# Altium PCB PCB_TX_N.PcbDoc
Units mm, origin at the board's own origin, x right, y up, seen from the top; angles counter-clockwise.
Board outline 67.44 x 57.4 mm, 2 copper layers (Top Layer, Bottom Layer); 43 components, 38 nets, 189 pads, 31 vias.
Unrouted connection lines stored in the file: 2.
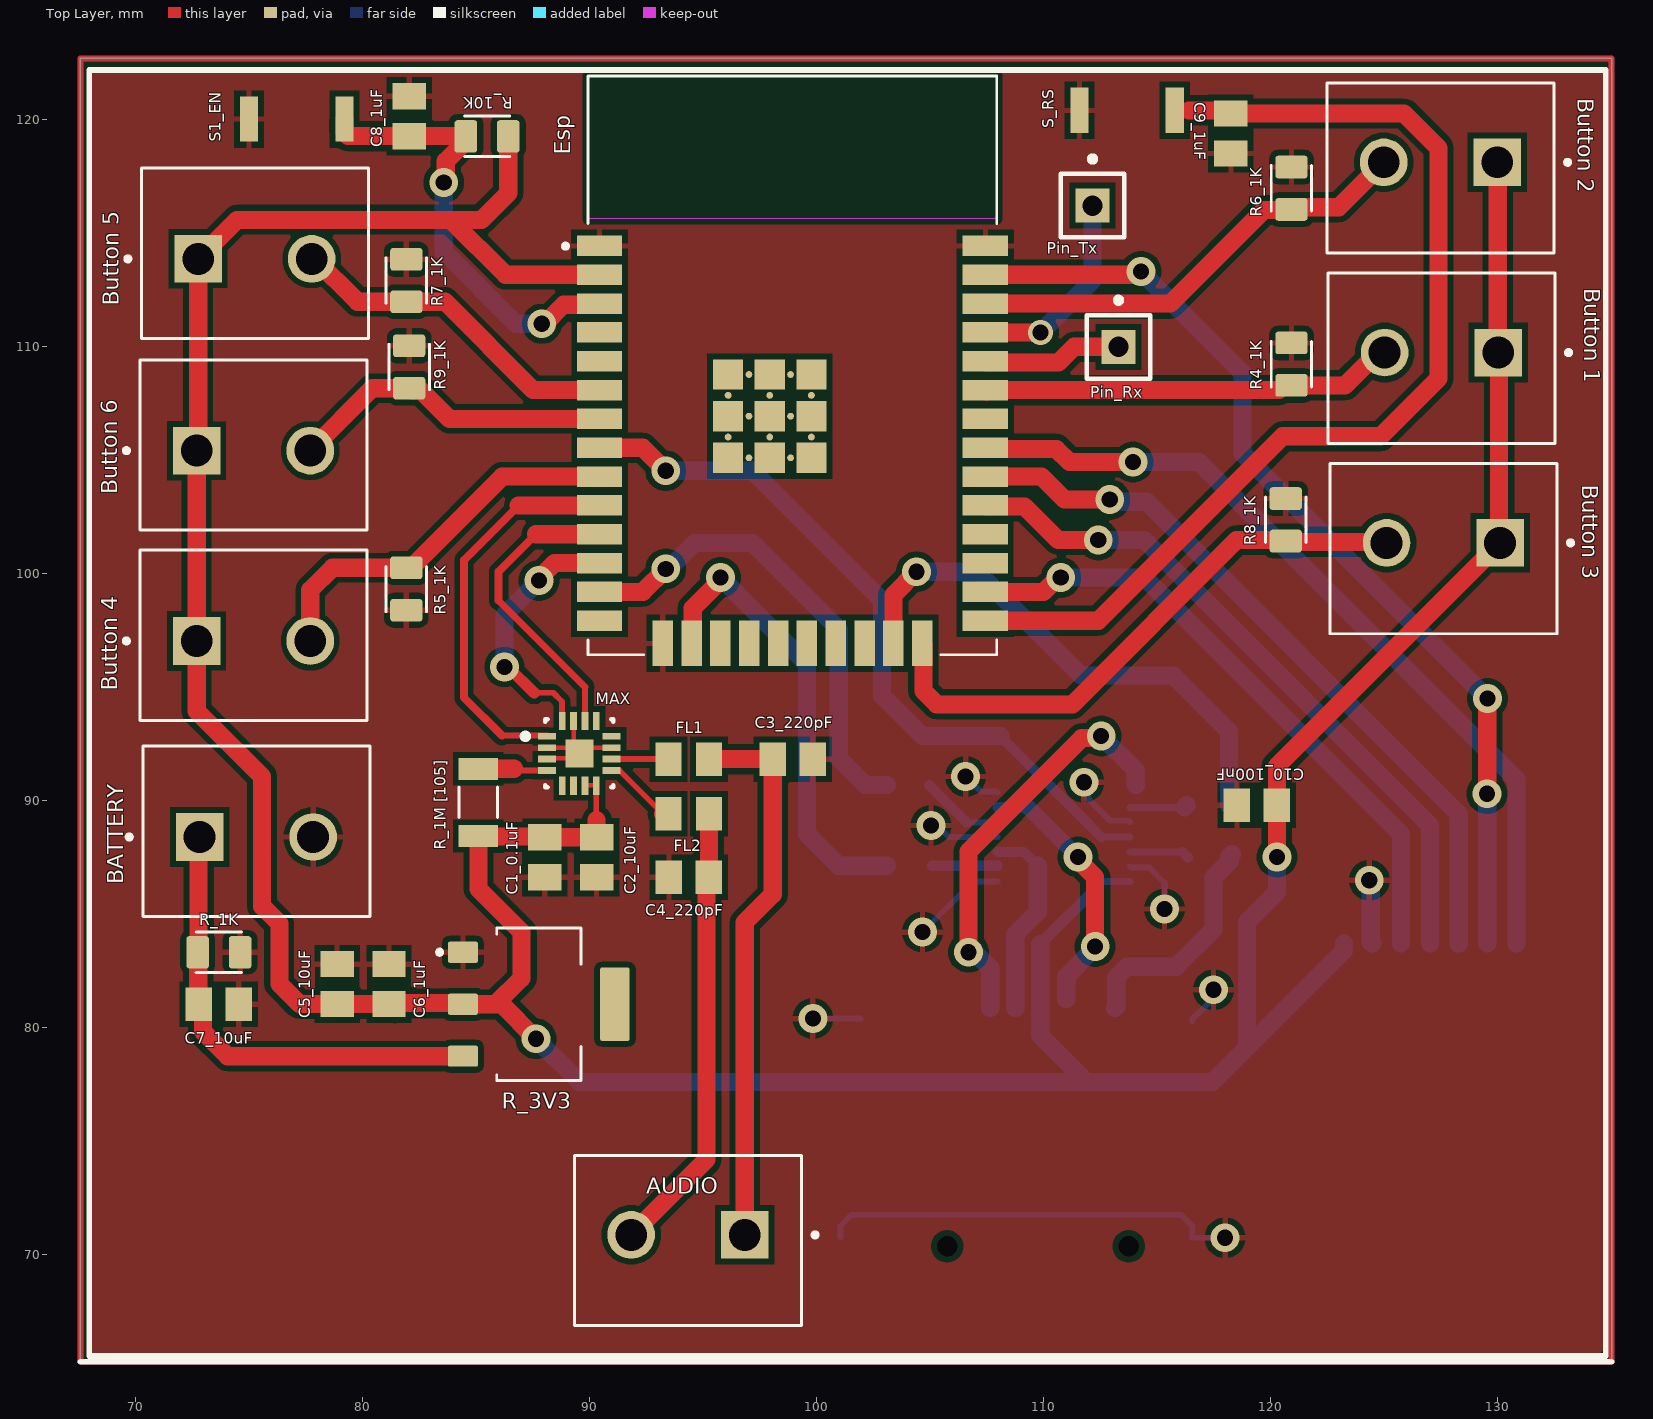
[diagram p0: Top Layer view]
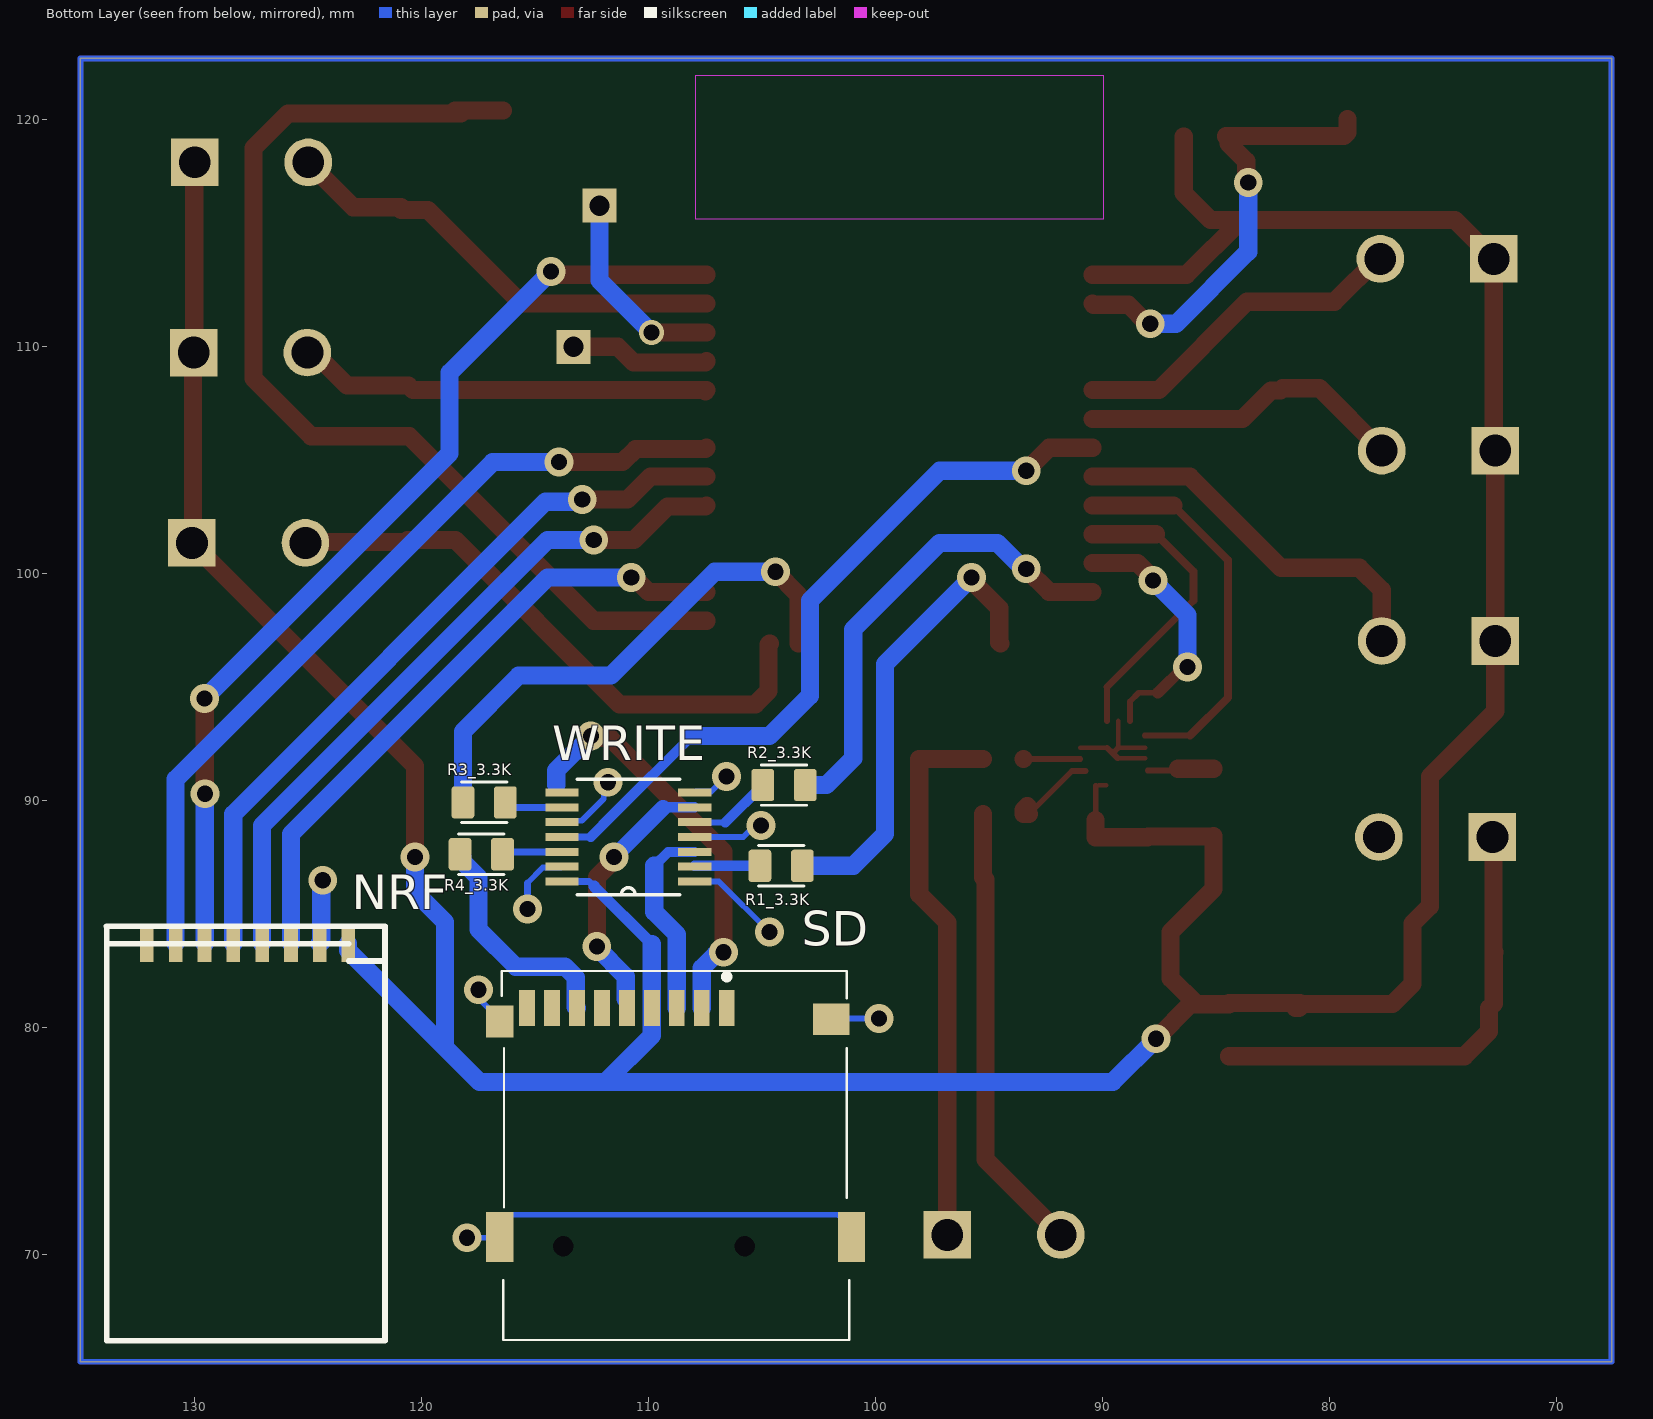
[diagram p1: Bottom Layer view, seen from below]

## Layer stack, top to bottom
Top Solder: solder mask 0.0102, Solder Resist, Dk 3.5
Top Layer: signal copper 0.0356
Dielectric 1: dielectric 0.32, FR-4, Dk 4.8
Bottom Layer: signal copper 0.0356
Bottom Solder: solder mask 0.0102, Solder Resist, Dk 3.5

## Board outline
67.564,65.278 67.564,122.682 135.001,122.682 135.001,65.278

## Design rules (kind name [scope] priority, off if disabled: settings)
Clearance [All] p1: gap=0.254 ignorepadtopadclearanceinfootprint=FALSE except(0: Arc-Hole Track-Hole SMDPad-Hole THPad-Hole Via-Hole Fill-Hole Poly-Hole Region-Hole Text-Hole)
PolygonConnect [All] p1: connectstyle=Relief reliefconductorwidth=0.254 reliefentries=4 polygonreliefangle="90 Angle" airgapwidth=0.254
RoutingVias [All] p1: holewidth=0.711 width=1.27 viastyle="Through Hole" minholewidth=0.711 minwidth=1.27 maxholewidth=0.711 maxwidth=1.27
SolderMaskExpansion [All] p1: expansion=0.102 istentingtop=FALSE
Width [All] p1: maxlimit=0.9 minlimit=0.254 preferedwidth=0.8
30 further rules are at their usual default settings.

## Components (designator, comment, footprint, x,y, rotation, side; value= is the part's Value field where it differs from the comment)
AUDIO "KF301-2P" HANDSON_KF301-2P 94.321,70.866 r180 top
BATTERY "KF301-2P" HANDSON_KF301-2P 75.311,88.392 r0 top
"Button 1" "KF301-2P" HANDSON_KF301-2P 127.508,109.728 r180 top
"Button 2" "KF301-2P" HANDSON_KF301-2P 127.468,118.11 r180 top
"Button 3" "KF301-2P" HANDSON_KF301-2P 127.595,101.346 r180 top
"Button 4" "KF301-2P" HANDSON_KF301-2P 75.184,97.028 r0 top
"Button 5" "KF301-2P" HANDSON_KF301-2P 75.248,113.855 r0 top
"Button 6" "KF301-2P" HANDSON_KF301-2P 75.184,105.41 r0 top
C1_0.1uF "0805" CAPC2012X94N 88.011,87.503 r270 top
C2_10uF "0805" CAPC2012X94N 90.297,87.503 r270 top
C3_220pF "0805" CAPC2012X94N 98.933,91.821 r0 top
C4_220pF "0805" CAPC2012X94N 94.361,86.614 r180 top
C5_10uF "0805" CAPC2012X94N 78.867,81.915 r270 top
C6_1uF "0805" CAPC2012X94N 81.153,81.915 r270 top
C7_10uF "0805" CAPC2012X94N 73.66,81.026 r180 top
C8_1uF "0805" CAPC2012X94N 82.042,120.142 r270 top
C9_1uF "0805" CAPC2012X94N 118.237,119.38 r90 top
C10_100nF "0805" CAPC2012X94N 119.38,89.789 r0 top
Esp "ESP32_MODULE_0" MODULE_ESP32-WROOM-32D 98.924,109.167 r0 top (schematic designator D1)
FL1 "Ferrite Beads" BEADC2012X105N 94.361,91.821 r0 top
FL2 "Ferrite Beads" BEADC2012X105N 94.361,89.408 r0 top
MAX "" Maxim_Electronics_21-0896_0 89.535,92.075 r0 top
NRF "SMD" NRF24L01 123.19,84.455 r270 bottom
Pin_Rx "Socket" PIN1 113.284,109.982 r0 top
Pin_Tx "Socket" PIN1 112.141,116.205 r0 top
R1_3.3K "0805" RESC2012X65N 104.14,87.122 r180 bottom
R2_3.3K "0805" RESC2012X65N 104.013,90.678 r180 bottom
R3_3.3K "0805" RESC2012X65N 117.221,89.916 r0 bottom
R4_1K "0805" RESC2012X65N 120.904,109.22 r90 top
R4_3.3K "0805" RESC2012X65N 117.348,87.63 r0 bottom
R5_1K "0805" RESC2012X65N 81.915,99.314 r90 top
R6_1K "0805" RESC2012X65N 120.904,116.967 r90 top
R7_1K "0805" RESC2012X65N 81.915,112.903 r270 top
R8_1K "0805" RESC2012X65N 120.65,102.362 r90 top
R9_1K "0805" RESC2012X65N 82.042,109.093 r270 top
R_1K "0805" RESC2012X65N 73.66,83.312 r180 top
"R_1M [105]" "RC1206" RESC3116X65N 85.09,89.916 r270 top
R_3V3 "AMS1117-3.3" SOT229P700X180-4N 87.757,81.026 r270 top
R_10K "0805" RESC2012X65N 85.471,119.253 r180 top
S1_EN "SW-PB" SKRK 77.089,120.015 r180 top
S_RS "SW-PB" SKRK 113.665,120.396 r180 top
SD "Micro SD Card Holder" "Micro SD Card Holder" 109.22,73.787 r180 bottom
WRITE "74LVC125APW,118" SOP65P640X110-14N 110.871,88.392 r0 bottom

## Footprints (in the part's own frame and the unit in brackets; to place one, negate y for a bottom-side part, rotate by r counter-clockwise, add the part's x,y. Pads: shape width x height; smd on the part's side, far side on the other; paste and mask are expansions set on the pad)
BEADC2012X105N [mm]
  rect 1.14x1.47 smd: 1(-0.89,0) 2(0.89,0)
CAPC2012X94N [mm]
  rect 1.16x1.47 smd: 1(-0.88,0) 2(0.88,0)
HANDSON_KF301-2P [mm]
  rect 2.1x2.1 hole 1.4: 1(-2.5,0)
  round 2.1 hole 1.4: 2(2.5,0)
  silkscreen extent -5.7,-3.5 5,4
Maxim_Electronics_21-0896_0 [mm]
  rect 0.8x0.3 smd paste+0 mask+0: 1(-1.425,0.75) 2(-1.425,0.25) 3(-1.425,-0.25) 4(-1.425,-0.75) 9(1.425,-0.75) 10(1.425,-0.25) 11(1.425,0.25) 12(1.425,0.75)
  rect 0.3x0.8 smd paste+0 mask+0: 5(-0.75,-1.425) 6(-0.25,-1.425) 7(0.25,-1.425) 8(0.75,-1.425) 13(0.75,1.425) 14(0.25,1.425) 15(-0.25,1.425) 16(-0.75,1.425)
  rect 1.23x1.23 smd paste+0 mask+0: 17(0,0)
  silkscreen extent -2.5,-1.5 1.5,1.5, body extent -1.5,-1.5 1.5,1.5, height 0.8
"Micro SD Card Holder" [mm]
  rect 0.7x1.6 smd paste+0 mask+0: 1(2.684,7.075) 2(1.584,7.075) 3(0.484,7.075) 4(-0.616,7.075) 5(-1.716,7.075) 6(-2.816,7.075) 7(-3.916,7.075) 8(-5.016,7.075) Cd(-6.116,7.075)
  rect 1.2x1.4 smd paste+0 mask+0: 10(-7.316,6.475)
  rect 1.6x1.4 smd paste+0 mask+0: 11(7.284,6.575)
  rect 1.2x2.2 smd paste+0 mask+0: 12(-7.316,-3.025) 13(8.184,-3.025)
  round 0 hole 0.9 unplated paste-1000 mask+0: ""(-4.516,-3.425) ""(3.484,-3.425)
  silkscreen extent -7.22,-7.55 8.08,8.7, body extent -7.57,-7.42 8.43,7.83, height 1.85
MODULE_ESP32-WROOM-32D [mm]
  rect 2x0.9 smd: 1(-8.5,5.26) 2(-8.5,3.99) 3(-8.5,2.72) 4(-8.5,1.45) 5(-8.5,0.18) 6(-8.5,-1.09) 7(-8.5,-2.36) 8(-8.5,-3.63) 9(-8.5,-4.9) 10(-8.5,-6.17) 11(-8.5,-7.44) 12(-8.5,-8.71) 13(-8.5,-9.98) 14(-8.5,-11.25) 25(8.5,-11.25) 26(8.5,-9.98) 27(8.5,-8.71) 28(8.5,-7.44) 29(8.5,-6.17) 30(8.5,-4.9) 31(8.5,-3.63) 32(8.5,-2.36) 33(8.5,-1.09) 34(8.5,0.18) 35(8.5,1.45) 36(8.5,2.72) 37(8.5,3.99) 38(8.5,5.26)
  rect 0.9x2 smd: 15(-5.715,-12.25) 16(-4.445,-12.25) 17(-3.175,-12.25) 18(-1.905,-12.25) 19(-0.635,-12.25) 20(0.635,-12.25) 21(1.905,-12.25) 22(3.175,-12.25) 23(4.445,-12.25) 24(5.715,-12.25)
  rect 1.33x1.33 smd: 39_1(-2.835,-0.405) 39_2(-1,-0.405) 39_3(0.835,-0.405) 39_4(-2.835,-2.24) 39_5(-1,-2.24) 39_6(0.835,-2.24) 39_7(-2.835,-4.075) 39_8(-1,-4.075) 39_9(0.835,-4.075)
  round 0.3 smd: 39_10(-1.917,-0.405) 39_11(-0.082,-0.405) 39_12(-2.835,-1.322) 39_13(-1,-1.322) 39_14(0.835,-1.322) 39_15(-1.917,-2.24) 39_16(-0.082,-2.24) 39_17(-2.835,-3.157) 39_18(-1,-3.157) 39_19(0.835,-3.157) 39_20(-1.917,-4.075) 39_21(-0.082,-4.075)
  Keep-Out Layer region: 9,6.45 -9,6.45 -9,12.75 9,12.75
  Keep-Out Layer region: 9,6.45 -9,6.45 -9,12.75 9,12.75
  silkscreen extent -10.1,-12.75 9,12.75, body extent -8.88,-12.57 9.02,12.83, height 2.61
NRF24L01 [mm] "smd"
  rect 1.6x0.6 smd: 1(0.762,-0.025) 2(0.762,-1.27) 3(0.762,-2.54) 4(0.762,-3.81) 5(0.762,-5.08) 6(0.762,-6.35) 7(0.762,-7.62) 8(0.762,-8.89)
  silkscreen extent 0,-10.67 18.26,1.61, body extent -0.08,-10.47 17.92,1.53, height 0.81
PIN1 [mm] "Connector; Plug"
  rect 1.5x1.5 hole 0.9: 1(0,0)
  silkscreen extent -1.4,-1.4 1.4,2.17
RESC2012X65N [mm]
  rrect25% 1x1.42 smd: 1(-0.935,0) 2(0.935,0)
  silkscreen extent -1,-0.89 1,0.89
RESC3116X65N [mm]
  rect 0.97x1.73 smd: 1(-1.48,0) 2(1.48,0)
  silkscreen extent -0.67,-0.85 0.67,0.85
SKRK [mm]
  rect 0.8x2 smd: 1(-2.1,0) 2(2.1,0)
SOP65P640X110-14N [mil]
  rect 58x14 smd: 1(-115,77) 2(-115,51) 3(-115,26) 4(-115,0) 5(-115,-26) 6(-115,-51) 7(-115,-77) 8(115,-77) 9(115,-51) 10(115,-26) 11(115,0) 12(115,26) 13(115,51) 14(115,77)
  silkscreen extent -89,-100 89,100
SOT229P700X180-4N [mm]
  rrect15% 0.93x1.31 smd: 1(-2.29,-3.345) 2(0,-3.345) 3(2.29,-3.345)
  rrect15% 3.24x1.31 smd: 4(0,3.345)
  silkscreen extent -3.36,-4.47 3.36,1.86

## Part data
AUDIO BATTERY "Button 1" "Button 2" "Button 3" "Button 4" "Button 5" "Button 6": "2 Pin Terminal Block 5mm Pitch", Package=Package, Availability=Unavailable, MF="Handson Technology", MP=KF301-2P, Price=None, SnapEDA_Link=https://www.snapeda.com/parts/KF301-2P/Handson%20Technology/view-part/4276957/?ref=snap
C1_0.1uF C2_10uF C3_220pF C4_220pF C5_10uF C6_1uF C7_10uF C8_1uF C9_1uF C10_100nF: library part 0805YC103J4T2A, "10000pF Â±5% 16V Ceramic Capacitor X7R 0805 _2012 Metric_", Package="2012 AVX", Availability=Unavailable, MF=AVX, MP=0805YC103J4T2A, Price=None, SnapEDA_Link=https://www.snapeda.com/parts/0805YC103J4T2A/AVX/view-part/606803/?ref=snap
FL1 FL2: library part BLM21PG221BH1D, Package=None, Availability=Unavailable, MP=BLM21PG221BH1D, Price=None
MAX: library part IC_Maxim_Electronics_MAX98357AETE+T_eec, "IC Amplifier IC 2-Channel (Stereo) Class D 16-TQFN (3x3)", Digikey Part Number=MAX98357AETE+T-ND, Manufacturer="Maxim Electronics", Mfg Package Ident=21-0896, Mouser Part Number=700-MAX98357AETE+T, Part Number=MAX98357AETE+T, Temperature="+40°C to +85°C", Temperature Range High=+85°C, Temperature Range Low=+40°C, ComponentLink1Description=Upverter, ComponentLink1URL=https://upverter.com/upn/revision/0f54a4b5bdb80fd2/, ComponentLink2Description=Datasheet, ComponentLink2URL=http://datasheets.maximintegrated.com/en/ds/MAX98357A-MAX98357B.pdf, Digikey Description="IC Amplifier IC 2-Channel (Stereo) Class D 16-TQFN (3x3)", helpURL=https://upverter.com/upn/revision/0f54a4b5bdb80fd2/, Lead Free=yes, Package=21-0896, Price=1.00367999051, RoHS=TRUE, Supplier 1=Digi-Key, Supplier 2=Mouser, Supplier Part Number 1=MAX98357AETE+T-ND, Supplier Part Number 2=700-MAX98357AETE+T
NRF: library part nrf24l01_smd
R1_3.3K R2_3.3K R3_3.3K R4_1K R4_3.3K R5_1K R6_1K R7_1K R8_1K R9_1K R_1K R_10K: library part 2-2176053-0, "RES 0.33 OHM 1% 1/4W 0805", Power_Rating=".25 W", Resistance=.33, Tolerance=1%, Availability=Unavailable, EU_RoHS_Compliance="Compliant with Exemptions", MF="TE Connectivity", MP=2-2176053-0, Package=0805, Price=None, SnapEDA_Link=https://www.snapeda.com/parts/2-2176053-0/TE%20Connectivity/view-part/2214508/?ref=snap
"R_1M [105]": library part RC1206JR-0713RL, "13 Ohms Â±5% 0.25W, 1/4W Chip Resistor 1206 _3216 Metric_ Moisture Resistant Thick Film", Package="3116 Yageo", Availability=Unavailable, MF=Yageo, MP=RC1206JR-0713RL, Price=None, SnapEDA_Link=https://www.snapeda.com/parts/RC1206JR-0713RL/Yageo/view-part/105893/?ref=snap
R_3V3: "Sot223/Pkg 1-Amp 3.3-Volt Low Drop Out Voltage Regulatator", Package=None, Availability=Unavailable, MF="Advanced Monolithic Systems", MP=AMS1117-3.3, Price=None, SnapEDA_Link=https://www.snapeda.com/parts/AMS1117-3.3/Advanced%20Monolithic%20Systems/view-part/53450/?ref=snap
S1_EN S_RS: "Switch", LatestRevisionDate=17-Jul-2002, LatestRevisionNote="Re-released for DXP Platform.", PackageDescription="Switch; 2 Leads", PackageReference=SPST-2, Published=24-Mar-1999, Publisher="Altium Limited"
WRITE: "IC BUF NON-INVERT 3.6V 14TSSOP", Package=None, Availability=Good, Check_prices=https://www.snapeda.com/parts/74LVC125APW,118/Nexperia/view-part/5160321/?ref=eda, MF="Nexperia USA Inc.", MP=74LVC125APW,118, Price=None, Purchase-URL=https://pricing.snapeda.com/search/part/74LVC125APW,118/?ref=eda, SnapEDA_Link=https://www.snapeda.com/parts/74LVC125APW,118/Nexperia/view-part/5160321/?ref=snap
Pin_Rx Pin_Tx: LatestRevisionDate=17-Jul-2002, LatestRevisionNote="Re-released for DXP Platform.", Publisher="Altium Limited"

## Via types
v1: diameter 1.27, hole 0.711, Top Layer to Bottom Layer, 30 vias
v2: diameter 1.1, hole 0.711, Top Layer to Bottom Layer, 1 vias

## Nets (pads, with @x,y where several pads share a name; then routed paths per layer and width w, separated by ;. In a path a pad name is that pad's centre, name@x,y a point inside that pad or via, vN(x,y) a via of type N, cw(c..) or ccw(c..) an arc to the next point about the centre after c; other vN are vias at no path point)
3v3: "Button 1.1" "Button 2.1" "Button 3.1" "Button 4.1" "Button 5.1" "Button 6.1" "R_1M [105].2" C1_0.1uF.1 C2_10uF.1 C5_10uF.2 C6_1uF.2 C10_100nF.2 Esp.2 MAX.7 MAX.8 NRF.1 R_3V3.2 R_10K.1 SD.4 WRITE.14 | length 182.5
  Top Layer w0.1: MAX.7 MAX.7@89.813,90.678
  Top Layer w0.2: MAX.7@89.813,90.678 MAX.8@90.158,90.678
  Top Layer w0.254: 90.285,89.142 MAX.8
  Top Layer w0.8: C6_1uF.2@81.28,81.072 R_3V3.2@84.412,81.072 ; C6_1uF.2@81.488,80.855 81.333,80.855 C6_1uF.2 C5_10uF.2 77.214,81.035 76.327,81.922 76.327,84.582 75.565,85.344 75.565,91.059 72.684,93.94 72.684,97.028 72.684,105.41 72.747,105.474 72.747,113.855 74.462,115.57 83.86,115.57 ; R_3V3.2 85.852,81.026 ; R_10K.1 86.406,116.759 85.22,115.573 83.863,115.573 83.86,115.57 ; v1(87.63,79.502) 86.106,81.026 85.852,81.026 ; 90.297,89.13 C2_10uF.1 C1_0.1uF.1 87.985,88.41 85.116,88.41 85.09,88.436 85.09,86.106 86.995,84.201 86.995,82.169 85.852,81.026 ; Esp.2 86.279,113.157 83.866,115.57 83.86,115.57 ; v1(120.269,87.503) 120.264,87.508 120.264,89.785 C10_100nF.2 120.26,91.511 130.095,101.346 130.052,101.39 130.052,109.684 130.008,109.728 129.988,109.748 129.988,118.09 129.968,118.11
  Bottom Layer w0.3: 112.376,86.214 112.598,86.436 WRITE.14
  Bottom Layer w0.5: 109.836,83.674 112.376,86.214
  Bottom Layer w0.8: v1(87.63,79.502) 89.535,77.597 111.887,77.597 ; 109.836,83.674 SD.4 109.836,79.648 111.887,77.597 ; v1(120.269,87.503) 120.269,85.979 118.943,84.653 118.943,79.121 ; NRF.1 123.215,83.393 118.943,79.121 ; 129.945,109.791 130.008,109.728 130.028,109.708 ; 129.968,118.11 130.032,118.046 ; 130.075,101.366 130.095,101.346 ; 111.887,77.597 117.419,77.597 118.943,79.121
GND: BATTERY.2 C1_0.1uF.2 C2_10uF.2 C3_220pF.2 C4_220pF.2 C5_10uF.1 C6_1uF.1 C7_10uF.1 C8_1uF.1 C9_1uF.1 C10_100nF.1 Esp.1 Esp.15 Esp.38 MAX.2 MAX.3 MAX.11 MAX.15 MAX.17 NRF.2 R4_1K.2 R5_1K.1 R6_1K.2 R7_1K.1 R8_1K.2 R9_1K.1 R_1K.1 R_3V3.1 S1_EN.2 S_RS.2 SD.10 SD.11 SD.12 SD.13 WRITE.1 WRITE.4 WRITE.7 WRITE.10 WRITE.13 | length 46
  Top Layer w0.2: MAX.3@88.11,91.856 MAX.17@89.316,91.856 ; MAX.2 MAX.17@89.285,92.325 ; MAX.17@89.297,92.313 MAX.15@89.297,93.5 ; MAX.17@89.785,92.325 MAX.11
  Top Layer w0.254: MAX.17@89.285,92.325 89.297,92.313 MAX.17 ; MAX.17@89.316,91.856 MAX.17 ; MAX.17@89.785,92.325 MAX.17
  Bottom Layer w0.254: v1(99.822,80.391) 101.907,80.391 SD.11 ; SD.13 101.036,71.262 101.509,71.735 101.638,71.735 101.658,71.755 116.043,71.755 116.536,71.262 SD.12 116.559,70.739 v1(117.983,70.739) ; v1(104.648,84.201) 106.883,86.436 WRITE.1 ; v1(105.029,88.9) 105.304,88.9 105.812,88.392 WRITE.4 ; v1(106.553,91.059) 107.213,90.399 107.899,90.399 WRITE.7 ; v1(111.76,90.805) cw(c111.291,90.336) 111.954,90.336 111.954,90.072 112.923,89.103 113.741,89.103 WRITE.10 ; WRITE.13 113.843,87.046 114.636,87.046 115.316,86.365 ; SD.10 116.536,80.362 117.281,81.107 117.281,81.467 v1(117.475,81.661)
  Bottom Layer w0.3: v1(115.316,85.217) 115.316,86.365
  Bottom Layer w0.8: v1(124.333,86.487) 124.396,86.424 124.396,83.756 NRF.2
NetAUDIO_1: AUDIO.1 C3_220pF.1 FL1.2 | length 24.3
  Top Layer w0.8: FL1.2 C3_220pF.1 98.053,85.852 96.821,84.62 AUDIO.1
NetAUDIO_2: AUDIO.2 C4_220pF.1 FL2.2 | length 20
  Top Layer w0.8: AUDIO.2 95.139,74.184 95.139,86.512 C4_220pF.1 95.246,86.619 95.246,89.403 FL2.2
NetBATTERY_1: BATTERY.1 C7_10uF.2 R_1K.2 R_3V3.3 | length 20.6
  Top Layer w0.8: BATTERY.1 72.768,88.349 72.768,83.355 R_1K.2 72.753,83.284 72.753,81.053 C7_10uF.2 72.96,80.846 72.96,79.821 74.045,78.736 R_3V3.3
"NetButton 1_2": "Button 1.2" Esp.33 R4_1K.1 | length 18.3
  Top Layer w0.8: Esp.33@107.474,108.027 Esp.33 120.359,108.077 120.567,108.285 R4_1K.1 123.269,108.285 124.712,109.728 125.008,109.728
"NetButton 2_2": "Button 2.2" Esp.36 R6_1K.1 | length 20.2
  Top Layer w0.8: Esp.36 115.57,111.887 119.693,116.01 120.882,116.01 R6_1K.1 ; R6_1K.1@120.777,116.032 120.877,116.132 122.99,116.132 124.968,118.11
"NetButton 3_2": "Button 3.2" Esp.24 R8_1K.1 | length 25.7
  Top Layer w0.8: Esp.24 104.689,96.867 104.689,94.828 105.283,94.234 111.252,94.234 118.491,101.473 R8_1K.1@120.604,101.473 ; R8_1K.1 120.691,101.387 125.054,101.387 125.095,101.346
"NetButton 4_2": "Button 4.2" Esp.9 R5_1K.2 | length 17.4
  Top Layer w0.8: 77.933,97.277 77.684,97.028 77.684,99.274 78.659,100.249 R5_1K.2 82.125,100.249 86.143,104.267 Esp.9
"NetButton 5_2": "Button 5.2" Esp.6 R7_1K.2 | length 15
  Top Layer w0.8: 77.811,113.919 79.762,111.968 83.612,111.968 87.503,108.077 Esp.6
"NetButton 6_2": "Button 6.2" Esp.7 R9_1K.2 | length 14.4
  Top Layer w0.8: 77.684,105.41 80.432,108.158 R9_1K.2 82.142,108.058 82.569,108.058 83.82,106.807 Esp.7
NetC8_1uF_2: C8_1uF.2 Esp.3 R_10K.2 S1_EN.1 | length 20
  Top Layer w0.8: S1_EN.1 79.189,119.415 79.342,119.262 C8_1uF.2 84.536,119.262 R_10K.2 84.436,119.153 84.436,118.943 83.656,118.163 83.656,117.311 v1(83.566,117.221) ; v1(87.884,110.998) 88.011,110.998 88.85,111.837 90.374,111.837 Esp.3
  Bottom Layer w0.8: v1(83.566,117.221) 83.566,114.173 86.741,110.998 v1(87.884,110.998)
NetC9_1uF_2: C9_1uF.2 Esp.25 S_RS.1 | length 46.4
  Top Layer w0.8: Esp.25 112.395,97.917 120.523,106.045 124.841,106.045 127.381,108.585 127.381,118.745 125.866,120.26 C9_1uF.2 ; 116.4,120.396 C9_1uF.2@118.491,120.396
NetD1_8: Esp.8 WRITE.11 | length 32.9
  Top Layer w0.8: Esp.8 92.329,105.537 v1(93.345,104.521)
  Bottom Layer w0.3: 112.522,88.392 WRITE.11
  Bottom Layer w0.45: 108.077,92.837 111.506,89.408 112.522,88.392
  Bottom Layer w0.8: v1(93.345,104.521) 97.155,104.521 102.87,98.806 102.87,94.615 104.648,92.837 108.077,92.837
NetD1_10: Esp.10 MAX.1 | length 17.4
  Top Layer w0.254: 86.125,92.856 MAX.1@88.119,92.856
  Top Layer w0.35: 86.125,92.856 84.455,94.526 84.455,100.584 86.868,102.997
  Top Layer w0.8: 86.868,102.997 Esp.10
NetD1_11: Esp.11 MAX.14 | length 13.3
  Top Layer w0.254: MAX.14@89.789,93.5 89.789,94.996
  Top Layer w0.3: 85.979,98.806 89.789,94.996
  Top Layer w0.35: 85.979,98.806 85.979,100.076 87.63,101.727
  Top Layer w0.8: 87.63,101.727 Esp.11
NetD1_12: Esp.12 MAX.16 | length 11.5
  Top Layer w0.254: v1(86.233,95.885) v1@86.4,95.885 ; 87.543,94.742 88.392,94.742 88.773,94.361 MAX.16@88.773,93.5
  Top Layer w0.5: v1@86.4,95.885 87.543,94.742
  Top Layer w0.8: v1(87.757,99.695) 87.757,99.771 88.443,100.457 Esp.12
  Bottom Layer w0.8: v1(86.233,95.885) 86.233,98.171 v1(87.757,99.695)
NetD1_13: Esp.13 R2_3.3K.2 | length 21.3
  Top Layer w0.8: Esp.13 92.329,99.187 v1(93.345,100.203)
  Bottom Layer w0.8: v1(93.345,100.203) 93.472,100.203 94.615,101.346 97.155,101.346 100.965,97.536 100.965,91.858 102.145,90.678 R2_3.3K.2
NetD1_16: Esp.16 R1_3.3K.2 | length 20.4
  Top Layer w0.8: Esp.16 94.529,96.967 94.529,98.466 95.758,99.695 v1(95.758,99.822)
  Bottom Layer w0.8: v1(95.758,99.822) 99.568,96.012 99.568,88.519 100.965,87.122 R1_3.3K.2@103.078,87.122
NetD1_23: Esp.23 R3_3.3K.2 | length 23.5
  Top Layer w0.8: Esp.23 103.369,99.051 v1(104.394,100.076)
  Bottom Layer w0.8: v1(104.394,100.076) 107.061,100.076 111.633,95.504 115.697,95.504 118.156,93.045 R3_3.3K.2@118.156,89.789
NetD1_26: Esp.26 NRF.3 | length 28.1
  Top Layer w0.8: Esp.26 109.982,99.187 110.617,99.822 v1(110.744,99.822)
  Bottom Layer w0.8: v1(110.744,99.822) 114.427,99.822 125.73,88.519 NRF.3
NetD1_29: Esp.29 NRF.4 | length 30.7
  Top Layer w0.8: Esp.29 107.474,102.947 109.143,102.947 110.617,101.473 v1(112.395,101.473)
  Bottom Layer w0.8: v1@112.485,101.383 v1(112.395,101.473) 114.427,101.473 127,88.9 NRF.4
NetD1_30: Esp.30 NRF.5 | length 32.7
  Top Layer w0.8: Esp.30 109.892,104.267 110.908,103.251 v1(112.903,103.251) v1@112.993,103.161
  Bottom Layer w0.8: v1@112.993,103.161 114.517,103.161 128.27,89.408 NRF.5
NetD1_31: Esp.31 NRF.7 | length 36.7
  Top Layer w0.8: Esp.31 107.474,105.487 110.54,105.487 111.125,104.902 v1(113.919,104.902)
  Bottom Layer w0.8: v1(113.919,104.902) 116.84,104.902 130.81,90.932 NRF.7
NetD1_34: Esp.34 Pin_Rx.1 | length 6.2
  Top Layer w0.8: Esp.34 107.474,109.297 110.638,109.297 ; 110.638,109.286 111.334,109.982 Pin_Rx.1
NetD1_35: Esp.35 Pin_Tx.1 | length 9
  Top Layer w0.8: Esp.35 v2(109.855,110.617)
  Bottom Layer w0.8: v2(109.855,110.617) 112.141,112.903 Pin_Tx.1
NetD1_37: Esp.37 NRF.6 | length 42.9
  Top Layer w0.8: Esp.37 114.001,113.157 114.15,113.306 v1(114.278,113.306) ; v1(129.521,90.297) 129.53,90.306 129.53,94.478 v1(129.54,94.488)
  Bottom Layer w0.8: v1(114.278,113.306) 118.745,108.839 118.745,105.283 v1(129.54,94.488) ; v1(129.521,90.297) 129.53,90.288 129.53,83.703 NRF.6
NetFL1_1: FL1.1 MAX.10 | length 2.5
  Top Layer w0.254: MAX.10@90.96,91.821 FL1.1
  Top Layer w0.8: FL1.1@93.467,91.825 FL1.1
NetFL2_1: FL2.1 MAX.9 | length 3.9
  Top Layer w0.254: MAX.9@90.728,91.294 91.332,91.294 FL2.1@93.218,89.408
  Top Layer w0.8: FL2.1@93.218,89.408 FL2.1 93.471,89.573 FL2.1@93.301,89.743
NetMAX_4: "R_1M [105].1" MAX.4 | length 2.8
  Top Layer w0.254: 86.745,91.317 87.979,91.317 MAX.4@87.987,91.325
  Top Layer w0.8: 85.09,91.396 86.666,91.396
NetR1_3.3K_1: R1_3.3K.1 WRITE.2 | length 2.9
  Bottom Layer w0.45: R1_3.3K.1 WRITE.2@107.95,87.122
NetR2_3.3K_1: R2_3.3K.1 WRITE.5 | length 3.7
  Bottom Layer w0.254: 106.599,89.027 WRITE.5@107.95,89.027
  Bottom Layer w0.45: R2_3.3K.1 106.599,89.027
NetR3_3.3K_1: R3_3.3K.1 WRITE.9 | length 2.5
  Bottom Layer w0.3: WRITE.9 R3_3.3K.1@116.186,89.687
  Bottom Layer w0.8: R3_3.3K.1@116.186,89.687 116.186,89.689 R3_3.3K.1@116.286,89.789
NetR4_3.3K_1: R4_3.3K.1 WRITE.12 | length 2.6
  Bottom Layer w0.3: WRITE.12 R4_3.3K.1@116.103,87.732
  Bottom Layer w0.45: R4_3.3K.1@116.103,87.732 R4_3.3K.1@116.332,87.503
NetR4_3.3K_2: R4_3.3K.2 SD.7 | length 10.2
  Bottom Layer w0.8: SD.7 113.186,80.912 113.186,82.208 113.655,82.677 115.829,82.677 117.475,84.323 117.475,86.612 118.183,87.32 118.183,87.53 R4_3.3K.2
NetSD_2: SD.2 WRITE.8 | length 18.2
  Top Layer w0.8: v1(106.68,83.312) 106.68,87.757 111.67,92.747 112.432,92.747 v1(112.522,92.837)
  Bottom Layer w0.8: v1(106.68,83.312) 106.77,83.222 107.04,83.222 107.636,82.626 SD.2 ; v1(112.522,92.837) 114.046,91.313 114.046,90.678
NetSD_3: SD.3 WRITE.3 | length 8.7
  Bottom Layer w0.45: WRITE.3 109.118,87.732 109.728,87.122
  Bottom Layer w0.8: SD.3 108.736,84.098 109.728,85.09 109.728,87.122
NetSD_5: SD.5 WRITE.6 | length 11.5
  Top Layer w0.8: v1(111.506,87.503) 111.506,87.376 112.258,86.624 v1(112.258,83.571)
  Bottom Layer w0.45: WRITE.6@107.95,89.7 109.347,89.7
  Bottom Layer w0.7: 109.347,89.662 v1(111.506,87.503)
  Bottom Layer w0.8: SD.5@110.986,81.262 110.986,82.248 112.258,83.52 v1(112.258,83.571)
pads on no net: Esp.4 Esp.5 Esp.14 Esp.17 Esp.18 Esp.19 Esp.20 Esp.21 Esp.22 Esp.27 Esp.28 Esp.32 Esp.39_1 Esp.39_2 Esp.39_3 Esp.39_4 Esp.39_5 Esp.39_6 Esp.39_7 Esp.39_8 Esp.39_9 Esp.39_10 Esp.39_11 Esp.39_12 Esp.39_13 Esp.39_14 Esp.39_15 Esp.39_16 Esp.39_17 Esp.39_18 Esp.39_19 Esp.39_20 Esp.39_21 MAX.5 MAX.6 MAX.12 MAX.13 NRF.8 R_3V3.4 SD. SD.1 SD.6 SD.8 SD.Cd

## Polygon pours and split planes (outlines as drawn)
GND on Top Layer "GND_L01_P000" (solid, pour order 0): 67.945,122.301 67.945,65.532 134.366,65.532 134.747,65.913 134.62,66.04 134.62,122.301

## Other copper
Multi-Layer:
  the board outline again, w0.254

## Silkscreen, mask and mechanical layers (free items; w line width, h text height)
Top Overlay:
  lines w0.254: 67.564,65.278 135.001,65.278 ; 67.945,65.913 67.945,122.174 ; 67.945,122.174 134.747,122.174 134.747,65.532 67.945,65.532 67.945,122.174

## Text inside footprints (layer, text, board x,y; h text height)
Esp: Mechanical 13 "ANTENNA" at 92.924,118.167 h1.78